# KiCad board vme-wren.kicad_pcb (continued)
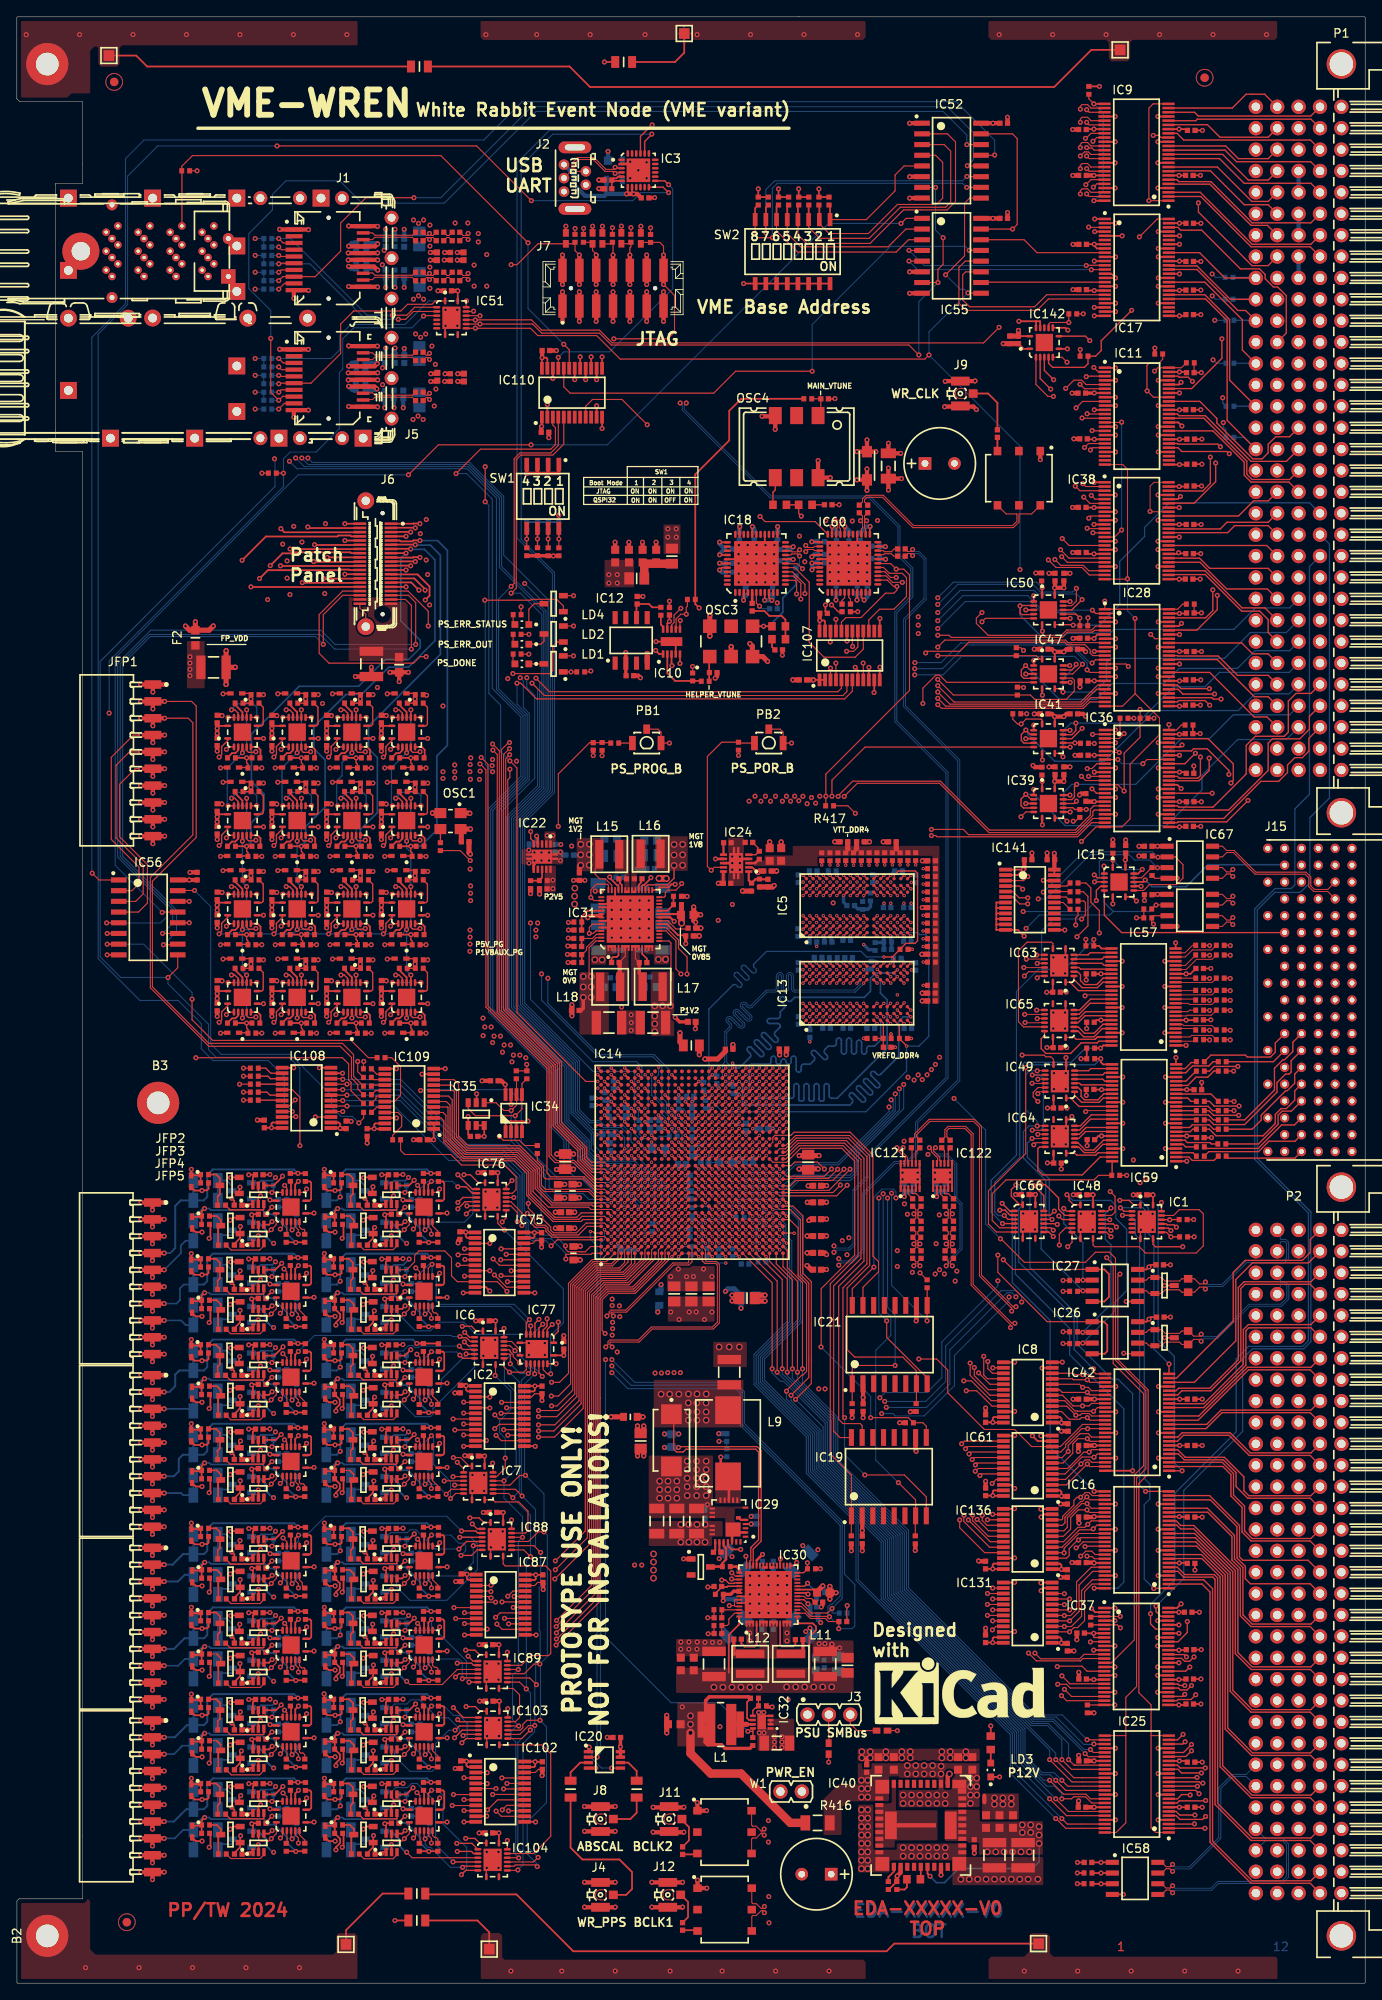
[diagram p0: board, top side]
## Footprints (pads in the part's own frame, mm; a bottom-side part is the same pattern mirrored in y, then rotated) (continued)
  round 3.5 hole 2.8: MTG1(0,5.08) MTG2(0,-83.82)
HARTING_17 25 095 2102
  round 1.1 hole 0.6: A1(0,0) A2(0,-2) A3(0,-4) A4(0,-6) A5(0,-8) A6(0,-10) A7(0,-12) A8(0,-14) A9(0,-16) A10(0,-18) A11(0,-20) A12(0,-22) A13(0,-24) A14(0,-26) A15(0,-28) A16(0,-30) A17(0,-32) A18(0,-34) A19(0,-36) B1(-2,0) B2(-2,-2) B3(-2,-4) B4(-2,-6) B5(-2,-8) B6(-2,-10) B7(-2,-12) B8(-2,-14) B9(-2,-16) B10(-2,-18) B11(-2,-20) B12(-2,-22) B13(-2,-24) B14(-2,-26) B15(-2,-28) B16(-2,-30) B17(-2,-32) B18(-2,-34) B19(-2,-36) C1(-4,0) C2(-4,-2) C3(-4,-4) C4(-4,-6) C5(-4,-8) C6(-4,-10) C7(-4,-12) C8(-4,-14) C9(-4,-16) C10(-4,-18) C11(-4,-20) C12(-4,-22) C13(-4,-24) C14(-4,-26) C15(-4,-28) C16(-4,-30) C17(-4,-32) C18(-4,-34) C19(-4,-36) D1(-6,0) D2(-6,-2) D3(-6,-4) D4(-6,-6) D5(-6,-8) D6(-6,-10) D7(-6,-12) D8(-6,-14) D9(-6,-16) D10(-6,-18) D11(-6,-20) D12(-6,-22) D13(-6,-24) D14(-6,-26) D15(-6,-28) D16(-6,-30) D17(-6,-32) D18(-6,-34) D19(-6,-36) E1(-8,0) E2(-8,-2) E3(-8,-4) E4(-8,-6) E5(-8,-8) E6(-8,-10) E7(-8,-12) E8(-8,-14) E9(-8,-16) E10(-8,-18) E11(-8,-20) E12(-8,-22) E13(-8,-24) E14(-8,-26) E15(-8,-28) E16(-8,-30) E17(-8,-32) E18(-8,-34) E19(-8,-36) F1(-10,0) F3(-10,-4) F5(-10,-8) F7(-10,-12) F9(-10,-16) F11(-10,-20) F13(-10,-24) F15(-10,-28) F17(-10,-32) F19(-10,-36)
HARWIN_M22-6541042R
  rect 1x2 smd: 1(9,0) 2(7,0) 3(5,0) 4(3,0) 5(1,0) 6(-1,0) 7(-3,0) 8(-5,0) 9(-7,0) 10(-9,0)
HIROSE_U.FL-R-SMT-1(10)
  rect 1x1.05 smd: 1(0,-1.525)
  rect 1.05x2.2 smd: 2(-1.475,0) 2(1.475,0)
IND_COILCRAFT_XAL4020
  rect 0.98x3.4 smd: 1(-1.185,0) 2(1.185,0)
IND_COILCRAFT_XAL4030
  rect 0.98x3.4 smd: 1(-1.185,0) 2(1.185,0)
IND_MURATA_BLM31PG
  rect 1.35x1.2 smd: 1(-1.675,0) 2(1.675,0)
IND_PULSE_PA2607
  rect 3.3x3.05 smd: 1(-3.935,0) 2(3.935,0)
IND_TDK_VLCF5020-1
  rect 0.9x3.1 smd: 1(-2.3,0) 2(2.3,0)
  rect 1.2x4.9 smd: 1(-1.25,0) 2(1.25,0)
INDC1608X95N
  rect 0.95x1 smd: 1(-0.8,0) 2(0.8,0)
INDC2012X105N
  rect 1.15x1.45 smd: 1(-0.9,0) 2(0.9,0)
INDC2012X110N
  rect 1.05x1.4 smd: 1(-0.95,0) 2(0.95,0)
INFINEON_PG-VQFN-56-900 (IRPS5401M)
  rect 0.7x0.22 smd: 1(-3.44,2.6) 2(-3.44,2.2) 3(-3.44,1.8) 4(-3.44,1.4) 5(-3.44,1) 6(-3.44,0.6) 7(-3.44,0.2) 8(-3.44,-0.2) 9(-3.44,-0.6) 10(-3.44,-1) 11(-3.44,-1.4) 12(-3.44,-1.8) 13(-3.44,-2.2) 14(-3.44,-2.6) 29(3.44,-2.6) 30(3.44,-2.2) 31(3.44,-1.8) 32(3.44,-1.4) 33(3.44,-1) 34(3.44,-0.6) 35(3.44,-0.2) 36(3.44,0.2) 37(3.44,0.6) 38(3.44,1) 39(3.44,1.4) 40(3.44,1.8) 41(3.44,2.2) 42(3.44,2.6)
  rect 0.31x1.02 smd: 2(-3.245,2.2) 6(-3.245,0.6) 9(-3.245,-0.6) 13(-3.245,-2.2)
  rect 0.22x0.7 smd: 15(-2.6,-3.44) 16(-2.2,-3.44) 17(-1.8,-3.44) 18(-1.4,-3.44) 19(-1,-3.44) 20(-0.6,-3.44) 21(-0.2,-3.44) 22(0.2,-3.44) 23(0.6,-3.44) 24(1,-3.44) 25(1.4,-3.44) 26(1.8,-3.44) 27(2.2,-3.44) 28(2.6,-3.44) 43(2.6,3.44) 44(2.2,3.44) 45(1.8,3.44) 46(1.4,3.44) 47(1,3.44) 48(0.6,3.44) 49(0.2,3.44) 50(-0.2,3.44) 51(-0.6,3.44) 52(-1,3.44) 53(-1.4,3.44) 54(-1.8,3.44) 55(-2.2,3.44) 56(-2.6,3.44)
  rect 0.31x0.62 smd: 34(3.245,-0.4) 36(3.245,0.4)
  rect 5.6x5.6 smd: 57(0,0)
INFINEON_TDA21535
  rect 0.65x0.25 smd: 1(-1.975,1.86) 2(-1.975,1.36) 3(-1.975,0.86) 4(-1.975,0.36) 5(-1.975,-0.14) 7(-1.975,-1.585) 13(1.975,-1.48) 14(1.975,-0.98) 15(1.975,-0.48) 16(1.975,0.58) 17(1.975,1.08) 18(1.975,1.58)
  rect 0.25x0.65 smd: 8(-1,-2.475) 9(-0.5,-2.475) 10(0,-2.475) 11(0.5,-2.475) 12(1,-2.475) 19(1.625,2.475) 20(1.125,2.475) 21(0.625,2.475) 22(0.125,2.475) 23(-0.375,2.475) 24(-0.875,2.475) 25(-1.375,2.475)
  round 0.025 smd: 10(0,-2.45) 13(0,-0.98) 17(1.52,1.08)
  rect 1.78x1.67 smd: 26(-0.5,1.005)
  rect 0.57x0.42 smd: 27(-1.125,-0.38)
LED_KINGBRIGHT_KPH-1608CGCK
  rect 0.8x0.8 smd: 1(-0.825,0) 2(0.825,0)
MOLEX_74737-0009
  round 2 hole 1.05: 2(-20.9,7.125)
MOLEX_87832-1420
  round 0.5 hole 1 unplated: (-5,0) (5,0)
  rect 1x2.75 smd: 1(-6,-2.125) 2(-6,2.125) 3(-4,-2.125) 4(-4,2.125) 5(-2,-2.125) 6(-2,2.125) 7(0,-2.125) 8(0,2.125) 9(2,-2.125) 10(2,2.125) 11(4,-2.125) 12(4,2.125) 13(6,-2.125) 14(6,2.125)
MOLEX_500075-1517
  round 1.25 hole 0.7: 1(1.6,1.3) 2(0.8,-1.3) 3(0,1.3) 4(-0.8,-1.3) 5(-1.6,1.3)
  rrect 1.4x3.9 hole 0.7x2.4: 6(-3.65,0) 6(3.65,0)
MTG270_500
  round 5 hole 2.7: 1(0,0)
OSC_CONNOR-WINFIELD_DOT050V
  rect 2.03x1.52 smd: 1(-3.685,2.54) 2(-3.685,0) 3(-3.685,-2.54) 4(3.685,-2.54) 5(3.685,0) 6(3.685,2.54)
OSC_EPSON_SG-8018CE
  rect 1.2x1.4 smd: 1(-0.95,1.2) 2(-0.95,-1.2) 3(0.95,-1.2) 4(0.95,1.2)
OSC_KYOCERA_KV7050B-C3
  rect 1.6x1.6 smd: 1(-1.8,2.54) 2(-1.8,0) 3(-1.8,-2.54) 4(1.8,-2.54) 5(1.8,0) 6(1.8,2.54)
PB_OMRON_B3U-1100P
  rect 0.8x1.7 smd: 1(-1.7,0) 2(1.7,0)
  rect 0.8x1.1 smd: 3(0,-1.65)
QFN50P400X400X80-25N-S280
  rrect 0.8x0.3 smd: 1(-2,1.25) 2(-2,0.75) 3(-2,0.25) 4(-2,-0.25) 5(-2,-0.75) 6(-2,-1.25) 13(2,-1.25) 14(2,-0.75) 15(2,-0.25) 16(2,0.25) 17(2,0.75) 18(2,1.25)
  rrect 0.3x0.8 smd: 7(-1.25,-2) 8(-0.75,-2) 9(-0.25,-2) 10(0.25,-2) 11(0.75,-2) 12(1.25,-2) 19(1.25,2) 20(0.75,2) 21(0.25,2) 22(-0.25,2) 23(-0.75,2) 24(-1.25,2)
  rect 2.8x2.8 smd: 25(0,0)
QFN50P700X700X90-45N-S530
  rrect 0.85x0.3 smd: 1(-3.45,2.5) 2(-3.45,2) 3(-3.45,1.5) 4(-3.45,1) 5(-3.45,0.5) 6(-3.45,0) 7(-3.45,-0.5) 8(-3.45,-1) 9(-3.45,-1.5) 10(-3.45,-2) 11(-3.45,-2.5) 23(3.45,-2.5) 24(3.45,-2) 25(3.45,-1.5) 26(3.45,-1) 27(3.45,-0.5) 28(3.45,0) 29(3.45,0.5) 30(3.45,1) 31(3.45,1.5) 32(3.45,2) 33(3.45,2.5)
  rrect 0.3x0.85 smd: 12(-2.5,-3.45) 13(-2,-3.45) 14(-1.5,-3.45) 15(-1,-3.45) 16(-0.5,-3.45) 17(0,-3.45) 18(0.5,-3.45) 19(1,-3.45) 20(1.5,-3.45) 21(2,-3.45) 22(2.5,-3.45) 34(2.5,3.45) 35(2,3.45) 36(1.5,3.45) 37(1,3.45) 38(0.5,3.45) 39(0,3.45) 40(-0.5,3.45) 41(-1,3.45) 42(-1.5,3.45) 43(-2,3.45) 44(-2.5,3.45)
  rect 5.3x5.3 smd: 45(0,0)
RESC1005X40N
  rect 0.58x0.62 smd: 1(-0.47,0) 2(0.47,0)
RESC1106X84N
  rect 0.71x0.72 smd: 1(-0.49,0) 2(0.49,0)
RESC1608X55N
  rect 0.9x1 smd: 1(-0.8,0) 2(0.8,0)
RESC2012X60N
  rect 0.95x1.4 smd: 1(-1,0) 2(1,0)
RESC3216X65N
  rect 1.15x1.8 smd: 1(-1.45,0) 2(1.45,0)
SAMTEC_LSHM-120-02.5-X-DV-A-S
  round 0.5 hole 1.5 unplated: (-6,-0.85) (6,-0.85)
  rect 0.3x1.5 smd: 1(4.75,-1.85) 2(4.75,1.85) 3(4.25,-1.85) 4(4.25,1.85) 5(3.75,-1.85) 6(3.75,1.85) 7(3.25,-1.85) 8(3.25,1.85) 9(2.75,-1.85) 10(2.75,1.85) 11(2.25,-1.85) 12(2.25,1.85) 13(1.75,-1.85) 14(1.75,1.85) 15(1.25,-1.85) 16(1.25,1.85) 17(0.75,-1.85) 18(0.75,1.85) 19(0.25,-1.85) 20(0.25,1.85) 21(-0.25,-1.85) 22(-0.25,1.85) 23(-0.75,-1.85) 24(-0.75,1.85) 25(-1.25,-1.85) 26(-1.25,1.85) 27(-1.75,-1.85) 28(-1.75,1.85) 29(-2.25,-1.85) 30(-2.25,1.85) 31(-2.75,-1.85) 32(-2.75,1.85) 33(-3.25,-1.85) 34(-3.25,1.85) 35(-3.75,-1.85) 36(-3.75,1.85) 37(-4.25,-1.85) 38(-4.25,1.85) 39(-4.75,-1.85) 40(-4.75,1.85)
  round 2 hole 1: 41(-7.475,1.15) 41(7.475,1.15)
SAMTEC_MTLW-102-07-L-S-250
  round 1.7 hole 1: 1(0,0) 2(2.54,0)
SAMTEC_MTLW-103-07-L-S-250
  round 1.7 hole 1: 1(0,0) 2(2.54,0) 3(5.08,0)
SODFL1608X65N
  rect 0.75x0.5 smd: 1(-0.7,0) 2(0.7,0)
SOIC127P600X175-8N
  rect 1.55x0.6 smd: 1(-2.7,1.905) 2(-2.7,0.635) 3(-2.7,-0.635) 4(-2.7,-1.905) 5(2.7,-1.905) 6(2.7,-0.635) 7(2.7,0.635) 8(2.7,1.905)
SOIC127P780X200-16N
  rect 1.85x0.6 smd: 1(-3.5,4.445) 2(-3.5,3.175) 3(-3.5,1.905) 4(-3.5,0.635) 5(-3.5,-0.635) 6(-3.5,-1.905) 7(-3.5,-3.175) 8(-3.5,-4.445) 9(3.5,-4.445) 10(3.5,-3.175) 11(3.5,-1.905) 12(3.5,-0.635) 13(3.5,0.635) 14(3.5,1.905) 15(3.5,3.175) 16(3.5,4.445)
SOIC127P1030X265-16N
  rect 2x0.6 smd: 1(-4.65,4.445) 2(-4.65,3.175) 3(-4.65,1.905) 4(-4.65,0.635) 5(-4.65,-0.635) 6(-4.65,-1.905) 7(-4.65,-3.175) 8(-4.65,-4.445) 9(4.65,-4.445) 10(4.65,-3.175) 11(4.65,-1.905) 12(4.65,-0.635) 13(4.65,0.635) 14(4.65,1.905) 15(4.65,3.175) 16(4.65,4.445)
SON45P300X300X80-13N-R175X248
  rect 0.8x0.25 smd: 1(-1.5,1.125) 2(-1.5,0.675) 3(-1.5,0.225) 4(-1.5,-0.225) 5(-1.5,-0.675) 6(-1.5,-1.125) 7(1.5,-1.125) 8(1.5,-0.675) 9(1.5,-0.225) 10(1.5,0.225) 11(1.5,0.675) 12(1.5,1.125)
  rect 1.75x2.45 smd: 13(0,0)
SON50P200X200X80-9N-R100X170
  rect 0.7x0.3 smd: 1(-1.05,0.75) 2(-1.05,0.25) 3(-1.05,-0.25) 4(-1.05,-0.75) 5(1.05,-0.75) 6(1.05,-0.25) 7(1.05,0.25) 8(1.05,0.75)
  rect 1x1.7 smd: 9(0,0)
SOP50P810X120-48N
  rect 1.45x0.3 smd: 1(-3.8,5.75) 2(-3.8,5.25) 3(-3.8,4.75) 4(-3.8,4.25) 5(-3.8,3.75) 6(-3.8,3.25) 7(-3.8,2.75) 8(-3.8,2.25) 9(-3.8,1.75) 10(-3.8,1.25) 11(-3.8,0.75) 12(-3.8,0.25) 13(-3.8,-0.25) 14(-3.8,-0.75) 15(-3.8,-1.25) 16(-3.8,-1.75) 17(-3.8,-2.25) 18(-3.8,-2.75) 19(-3.8,-3.25) 20(-3.8,-3.75) 21(-3.8,-4.25) 22(-3.8,-4.75) 23(-3.8,-5.25) 24(-3.8,-5.75) 25(3.8,-5.75) 26(3.8,-5.25) 27(3.8,-4.75) 28(3.8,-4.25) 29(3.8,-3.75) 30(3.8,-3.25) 31(3.8,-2.75) 32(3.8,-2.25) 33(3.8,-1.75) 34(3.8,-1.25) 35(3.8,-0.75) 36(3.8,-0.25) 37(3.8,0.25) 38(3.8,0.75) 39(3.8,1.25) 40(3.8,1.75) 41(3.8,2.25) 42(3.8,2.75) 43(3.8,3.25) 44(3.8,3.75) 45(3.8,4.25) 46(3.8,4.75) 47(3.8,5.25) 48(3.8,5.75)
SOP65P400X130-8N
  rect 1.1x0.4 smd: 1(-1.9,0.975) 2(-1.9,0.325) 3(-1.9,-0.325) 4(-1.9,-0.975) 5(1.9,-0.975) 6(1.9,-0.325) 7(1.9,0.325) 8(1.9,0.975)
SOP65P490X110-8N
  rect 1.5x0.45 smd: 1(-2.2,0.975) 2(-2.2,0.325) 3(-2.2,-0.325) 4(-2.2,-0.975) 5(2.2,-0.975) 6(2.2,-0.325) 7(2.2,0.325) 8(2.2,0.975)
SOP65P640X120-24N
  rect 1.5x0.45 smd: 1(-2.9,3.575) 2(-2.9,2.925) 3(-2.9,2.275) 4(-2.9,1.625) 5(-2.9,0.975) 6(-2.9,0.325) 7(-2.9,-0.325) 8(-2.9,-0.975) 9(-2.9,-1.625) 10(-2.9,-2.275) 11(-2.9,-2.925) 12(-2.9,-3.575) 13(2.9,-3.575) 14(2.9,-2.925) 15(2.9,-2.275) 16(2.9,-1.625) 17(2.9,-0.975) 18(2.9,-0.325) 19(2.9,0.325) 20(2.9,0.975) 21(2.9,1.625) 22(2.9,2.275) 23(2.9,2.925) 24(2.9,3.575)
SOT65P210X110-6N
  rect 0.95x0.4 smd: 1(-1.1,0.65) 2(-1.1,0) 3(-1.1,-0.65) 4(1.1,-0.65) 5(1.1,0) 6(1.1,0.65)
SOT95P237X112-3N
  rect 1.05x0.6 smd: 1(-1.15,0.95) 2(-1.15,-0.95) 3(1.15,0)
SOT95P240X110-3N
  rect 1.05x0.65 smd: 1(-1.15,0.95) 2(-1.15,-0.95) 3(1.15,0)
SOT95P240X130-3N
  rect 1.05x0.65 smd: 1(-1.15,0.95) 2(-1.15,-0.95) 3(1.15,0)
SOT95P280X145-6N
  rect 1.05x0.6 smd: 1(-1.35,0.95) 2(-1.35,0) 3(-1.35,-0.95) 4(1.35,-0.95) 5(1.35,0) 6(1.35,0.95)
SOT190P230X110-4N
  rect 1x1 smd: 1(-1.15,0.75)
  rect 1x0.6 smd: 2(-1.15,-0.95) 3(1.15,-0.95) 4(1.15,0.95)
SW_TYCO_1-1571983-0
  rect 1.55x0.55 smd: 1(-3.8,4.445) 2(-3.8,3.175) 3(-3.8,1.905) 4(-3.8,0.635) 5(-3.8,-0.635) 6(-3.8,-1.905) 7(-3.8,-3.175) 8(-3.8,-4.445) 9(3.8,-4.445) 10(3.8,-3.175) 11(3.8,-1.905) 12(3.8,-0.635) 13(3.8,0.635) 14(3.8,1.905) 15(3.8,3.175) 16(3.8,4.445)
SW_TYCO_1571983-4
  rect 1.55x0.55 smd: 1(-3.8,1.905) 2(-3.8,0.635) 3(-3.8,-0.635) 4(-3.8,-1.905) 5(3.8,-1.905) 6(3.8,-0.635) 7(3.8,0.635) 8(3.8,1.905)
TEXAS_DRC (S-PVSON-N10)
  rect 0.85x0.3 smd: 1(-1.5,1) 2(-1.5,0.5) 3(-1.5,0) 4(-1.5,-0.5) 5(-1.5,-1) 6(1.5,-1) 7(1.5,-0.5) 8(1.5,0) 9(1.5,0.5) 10(1.5,1)
  rect 0.28x0.7 smd: 11(-0.25,1.55) 11(-0.25,-1.55) 11(0.25,1.55) 11(0.25,-1.55)
  rect 1.65x2.4 smd: 11(0,0)
TEXAS_DSC (S-PWSON-N10)
  rect 0.85x0.3 smd: 1(-1.475,1) 2(-1.475,0.5) 3(-1.475,0) 4(-1.475,-0.5) 5(-1.475,-1) 6(1.475,-1) 7(1.475,-0.5) 8(1.475,0) 9(1.475,0.5) 10(1.475,1)
  rect 1.05x2.55 smd: 11(0,0)
TEXAS_RGY (R-PVQFN-N16)
  rrect 0.3x0.85 smd: 1(-0.75,2) 8(-0.75,-2) 9(0.75,-2) 16(0.75,2)
  rrect 0.85x0.3 smd: 2(-1.75,1.25) 3(-1.75,0.75) 4(-1.75,0.25) 5(-1.75,-0.25) 6(-1.75,-0.75) 7(-1.75,-1.25) 10(1.75,-1.25) 11(1.75,-0.75) 12(1.75,-0.25) 13(1.75,0.25) 14(1.75,0.75) 15(1.75,1.25)
  rect 2.15x2.65 smd: 17(0,0)
TEXAS_RGY (S-PVQFN-N14)
  rrect 0.3x0.85 smd: 1(-0.75,1.75) 7(-0.75,-1.75) 8(0.75,-1.75) 14(0.75,1.75)
  rrect 0.85x0.3 smd: 2(-1.75,1) 3(-1.75,0.5) 4(-1.75,0) 5(-1.75,-0.5) 6(-1.75,-1) 9(1.75,-1) 10(1.75,-0.5) 11(1.75,0) 12(1.75,0.5) 13(1.75,1)
  rect 2.05x2.05 smd: 15(0,0)
TEXAS_RVQ (S-PB3QFN-N42)
  rect 1x1.65 smd: 1(-4.9,4.575)
  rect 0.65x1 smd: 1(-4.075,4.9)
  rect 0.95x0.5 smd: 2(-4.925,3.2) 3(-4.925,2.4) 4(-4.925,1.6) 5(-4.925,0.8) 6(-4.925,0) 7(-4.925,-0.8) 8(-4.925,-1.6) 9(-4.925,-2.4) 10(-4.925,-3.2) 22(4.925,-3.2) 23(4.925,-2.4) 24(4.925,-1.6) 25(4.925,-0.8) 26(4.925,0) 27(4.925,0.8) 28(4.925,1.6) 29(4.925,2.4) 30(4.925,3.2)
  rect 1.65x1.65 smd: 11(-4.575,-4.575) 21(4.575,-4.575) 31(4.575,4.575)
  rect 0.5x0.95 smd: 12(-3.2,-4.925) 13(-2.4,-4.925) 14(-1.6,-4.925) 15(-0.8,-4.925) 16(0,-4.925) 17(0.8,-4.925) 18(1.6,-4.925) 19(2.4,-4.925) 20(3.2,-4.925) 32(3.2,4.925) 33(2.4,4.925) 34(1.6,4.925) 35(0.8,4.925) 36(0,4.925) 37(-0.8,4.925) 38(-1.6,4.925) 39(-2.4,4.925) 40(-3.2,4.925)
  rect 3.29x1.4 smd: 41(0,3.55) 42(0,-3.55)
  rect 0.525x4.65 smd: 42(0,-0.525)
TPS127
  rect 1.27x1.27 smd: 1(0,0)
TYCO_1761014-3
  rect 2x2 hole 1.05: 1(-14.25,-30.9) 2(-14.25,-20.9) 3(-14.25,-10.9) 4(-14.25,-0.9) 5(14.25,4.1) 6(14.25,-5.9) 7(14.25,-15.9) 8(14.25,-25.9) 9(-5.675,-30.9) 10(-8.575,-10.9) 11(-3.175,-10.9) 12(8.575,-30.9) 13(5.675,-10.9) 14(11.075,-10.9)
  round 2 hole 1.05: 15(0,-30.9) 16(0,-23.8) 17(0,-9.6) 18(0,-2.5)
  round 1.65 hole 0.95: 19(-14.25,-8.1) 20(-14.25,-3.4) 21(-14.25,1.6) 22(-11.925,7.475) 23(-7.125,7.475) 24(-2.325,7.475) 25(2.325,7.475) 26(7.125,7.475) 27(11.925,7.475) 28(14.25,1.6) 29(14.25,-3.4) 30(14.25,-8.1)
TYCO_1888247-1
  round 0.5 hole 1.55 unplated: (0,4.795) (0,-4.805)
  rect 2x0.5 smd: 1(-4.1,3.395) 2(-4.1,2.595) 3(-4.1,1.795) 4(-4.1,0.995) 5(-4.1,0.195) 6(-4.1,-0.605) 7(-4.1,-1.405) 8(-4.1,-2.205) 9(-4.1,-3.005) 10(-4.1,-3.805) 11(4.1,-3.405) 14(4.1,-1.005) 15(4.1,-0.205) 16(4.1,0.595) 17(4.1,1.395) 20(4.1,3.795)
  rect 1.5x0.4 smd: 12(4.1,-2.605) 13(4.1,-1.805) 18(4.1,2.195) 19(4.1,2.995)
TYCO_2149027-1
  rrect 0.9x0.9 hole 0.4: A1(-5,3) A2(-6.4,2.25) A3(-5.7,1.5) A4(-5,0.75) A5(-6.4,0) A6(-5.7,-0.75) A7(-5,-1.5) A8(-6.4,-2.25) A9(-5.7,-3) B1(-1.2,3) B2(-2.6,2.25) B3(-1.9,1.5) B4(-1.2,0.75) B5(-2.6,0) B6(-1.9,-0.75) B7(-1.2,-1.5) B8(-2.6,-2.25) B9(-1.9,-3) C1(2.6,3) C2(1.2,2.25) C3(1.9,1.5) C4(2.6,0.75) C5(1.2,0) C6(1.9,-0.75) C7(2.6,-1.5) C8(1.2,-2.25) C9(1.9,-3) D1(6.4,3) D2(5,2.25) D3(5.7,1.5) D4(6.4,0.75) D5(5,0) D6(5.7,-0.75) D7(6.4,-1.5) D8(5,-2.25) D9(5.7,-3)
  round 4.4 hole 2.2: SHIELD(-9.4,0)
  round 1.3 hole 0.6: SHIELD(-5.7,5.5) SHIELD(-5.7,-5.5) SHIELD(8.11,1.5)
  rect 1.7x1.7 hole 0.6: SHIELD(8.11,-3)
XFMR_MINI-CIRCUITS_CD542
  rect 0.9x1 smd: 1(-2.54,-3.22) 2(0,-3.22) 3(2.54,-3.22) 4(2.54,3.22) 5(0,3.22) 6(-2.54,3.22)

## Nets
5VREG: C220.2 C275.1 C287.1 C296.2 IC22.4 IC29.4 IC30.29 IC30.48 IC30.49 IC31.29 IC31.48 IC31.49 IC32.6 L1.2 R120.1 R205.1 R210.1 R212.1 R213.1 R416.1
/power-supply-1/P1V8AUX_PG: IC30.16 IC31.28 IC31.42 IC31.44 IC31.51 IC31.53 R227.2
/power-supply-3/5VPG: IC22.5 IC32.8 R120.2
GND: C1.2 C2.2 C3.1 C4.1 C5.2 C6.1 C7.1 C8.2 C9.1 C10.1 C11.1 C12.1 C13.1 C14.1 C15.1 C16.1 C17.1 C18.1 C19.1 C20.2 C21.2 C22.1 C23.1 C24.1 C25.1 C26.1 C27.1 C28.2 C29.1 C30.1 C31.1 C32.1 C33.1 C34.1 C35.1 C36.1 C37.1 C38.1 C39.1 C40.1 C41.1 C42.1 C43.1 C44.1 C45.1 C46.1 C47.2 C48.1 C49.1 C50.2 C51.2 C52.2 C53.2 C54.1 C55.2 C56.1 C57.1 C58.1 C62.2 C63.2 C65.1 C66.1 C67.1 C68.1 C69.1 C70.1 C71.2 C72.1 C73.1 C74.1 C75.1 C76.1 C77.1 C78.1 C79.1 C80.1 C81.1 C82.1 C83.1 C84.1 C85.1 C86.1 C87.1 C88.1 C90.1 C91.1 C92.1 C93.1 C94.1 C95.1 C96.1 C100.1 C101.1 C102.1 C103.2 C104.1 C105.1 C106.1 C107.1 C108.1 C109.1 C110.1 C111.1 C112.1 C113.1 C114.1 C115.1 C116.1 C117.2 C118.1 C119.1 C121.1 C122.1 C123.1 C124.1 C125.1 C126.1 C127.1 C128.1 C129.1 C130.1 C131.1 C132.1 C133.1 C134.1 C135.1 C136.1 C137.1 C138.1 C139.1 C140.1 C141.2 C142.2 C143.1 C144.1 C145.1 C146.1 C147.1 C148.2 C149.1 C150.1 C151.1 C152.1 C153.1 C154.2 C155.1 C156.1 C157.1 C158.2 C159.2 C160.2 C161.2 C162.1 C163.2 C164.1 C165.1 C166.2 C167.2 C168.2 C169.2 C170.2 C171.2 C172.2 C173.2 C174.1 C175.1 C176.2 C177.2 C178.1 C179.1 C180.1 C181.1 C182.1 C183.1 C184.1 C185.1 C186.2 C187.2 C188.1 C189.2 C190.1 C191.2 C192.2 C193.1 C194.1 C195.1 C196.1 C197.1 C198.1 C199.1 C200.1 C201.1 C202.1 C203.1 C204.1 C205.1 C206.2 C207.2 C208.2 C209.2 C210.1 C211.1 C212.2 C213.1 C214.1 C215.1 C216.1 C217.1 C218.1 C219.1 C220.1 C221.2 C222.1 C223.1 C224.1 C225.1 C226.1 C227.1 C228.2 C229.2 C231.2 C232.1 C234.1 C235.1 C236.1 C237.1 C238.2 C239.2 C240.2 C241.2 C242.1 C243.1 C244.2 C245.2 C249.2 C250.1 C251.1 C252.2 C253.2 C254.1 C255.1 C256.1 C257.1 C258.1 C259.1 C260.1 C261.1 C262.1 C263.1 C264.1 C267.1 C268.1 C269.2 C272.2 C273.2 C274.1 C275.2 C276.2 C277.2 C278.2 C279.2 C280.2 C281.2 C283.2 C284.2 C285.2 C286.2 C287.2 C288.2 C290.2 C291.2 C292.1 C293.1 C294.1 C295.1 C296.1 C297.2 C301.1 C302.1 C303.2 C304.2 C305.1 C306.2 C307.2 C308.1 C309.2 C310.2 C311.2 C312.2 C313.2 C314.2 C315.2 C316.2 C317.2 C318.2 C319.2 C320.1 C321.1 C322.1 C323.1 C324.2 C325.2 C326.2 C327.2 C328.2 C329.2 C330.2 C331.2 C332.2 C333.2 C334.2 C335.2 C336.2 C337.2 C338.2 C339.2 C340.1 C341.1 C342.1 C343.1 C344.1 C345.2 C346.1 C347.1 C348.1 C349.2 C350.1 C351.1 C352.1 C354.2 C355.1 C356.1 C357.1 C358.1 C359.1 C360.1 C361.1 C362.1 C363.2 C364.2 C369.2 C370.1 C371.1 C372.2 C373.2 C376.2 C377.2 C378.2 C379.2 C380.2 C381.1 C382.2 C383.1 C384.2 C385.1 C386.2 C387.1 C388.1 C389.1 C390.1 C391.1 C392.1 C393.2 C394.2 C395.2 C396.2 C397.1 C398.2 C399.2 C400.2 C401.2 C402.2 C403.1 C404.2 C405.2 C406.1 C407.2 C408.2 C409.1 C410.2 C411.2 C412.2 C413.1 C414.2 C415.2 C416.2 C417.2 C418.2 C419.1 C420.2 C421.2 C422.2 C423.2 C424.2 C425.1 C426.2 C427.2 C428.1 C429.2 C430.2 C431.1 C432.2 C433.2 C434.2 C435.1 C436.2 C437.2 C438.2 C439.2 C440.2 C441.1 C442.2 C443.2 C444.2 C445.2 C446.2 C447.1 C448.2 C449.2 C450.2 C451.2 C452.2 C453.1 C454.2 C455.2 C456.1 C457.2 C458.2 C459.1 C460.2 C461.2 C462.2 C463.1 C464.2 C465.2 C466.2 C467.2 C486.2 C487.2 C488.2 C489.2 C490.1 C491.2 C492.2 C493.2 C494.2 C495.2 C496.2 C497.1 C498.2 C499.2 C500.2 C501.2 C502.2 C503.1 C504.2 C505.2 C506.2 C507.2 C508.2 C509.1 C510.2 C511.2 C512.1 C517.2 C518.1 C519.2 C520.1 C521.2 C522.1 C523.2 C524.1 C525.2 C526.2 C527.2 C528.1 C529.2 C530.1 C531.2 C532.1 C533.2 C534.1 C535.2 C536.2 C537.2 C538.1 C539.2 C540.1 C541.2 C542.1 C543.2 C544.1 C545.2 C546.2 C547.2 C548.2 C549.2 Cage1.1 Cage1.2 Cage1.3 Cage1.4 Cage1.5 Cage1.6 Cage1.7 Cage1.8 Cage1.9 Cage1.10 Cage1.11 Cage1.12 Cage1.13 Cage1.14 Cage1.15 Cage1.16 Cage1.17 Cage1.18 Cage1.19 Cage1.20 Cage1.21 Cage1.22 Cage1.23 Cage1.24 Cage1.25 Cage1.26 Cage1.27 Cage1.28 Cage1.29 Cage1.30 Cage3.2 D1.2 D2.2 D3.2 D4.2 D5.2 D6.2 D7.2 D8.2 D9.2 D10.1 D11.1 D12.1 D13.2 D14.2 D15.1 D16.1 D17.2 D18.2 D19.1 D20.1 D21.2 D22.2 D23.1 D24.1 D25.2 D26.2 D27.1 D28.1 D29.3 D30.3 D31.1 D32.1 D33.2 D34.2 D35.1 D36.1 D37.2 D38.2 D39.1 D40.1 D41.2 D42.2 D43.1 D44.1 D45.2 D46.2 D47.1 D48.2 D49.2 D50.1 D51.2 D52.2 D53.1 D54.1 D55.2 D56.2 D57.1 D58.1 D59.2 D60.2 D61.1 D62.1 D63.2 D64.2 D65.1 D66.1 D67.1 D68.1 D69.2 D70.2 D71.1 D72.1 D73.2 D74.2 D75.2 D76.2 D77.2 D78.2 D79.2 D80.2 D81.2 D82.2 D83.2 D84.2 D85.2 D86.2 D87.2 D88.2 D89.2 D90.2 D91.2 D92.2 D93.2 D94.2 D95.2 D96.2 D97.2 D98.2 D99.2 D100.2 D101.2 D102.2 D103.2 D104.2 D105.2 D106.2 IC1.8 IC1.17 IC2.11 IC2.12 IC2.13 IC2.22 IC3.2 IC3.25 IC4.1 IC5.A2 IC5.A8 IC5.B2 IC5.C9 IC5.D2 IC5.D8 IC5.E1 IC5.E3 IC5.E8 IC5.E9 IC5.F1 IC5.G8 IC5.H1 IC5.H9 IC5.K1 IC5.K9 IC5.M9 IC5.N1 IC5.N9 IC5.T1 IC6.8 IC6.17 IC7.8 IC7.17 IC8.11 IC8.12 IC8.13 IC8.22 IC9.1 IC9.2 IC9.4 IC9.5 IC9.10 IC9.14 IC9.15 IC9.17 IC9.21 IC9.22 IC9.23 IC9.24 IC9.28 IC9.32 IC9.34 IC9.39 IC9.41 IC9.45 IC10.3 IC10.4 IC10.11 IC11.1 IC11.4 IC11.8 IC11.10 IC11.15 IC11.17 IC11.21 IC11.28 IC11.32 IC11.34 IC11.39 IC11.45 IC12.4 IC13.A2 IC13.A8 IC13.B2 IC13.C9 IC13.D2 IC13.D8 IC13.E1 IC13.E3 IC13.E8 IC13.E9 IC13.F1 IC13.G8 IC13.H1 IC13.H9 IC13.K1 IC13.K9 IC13.M9 IC13.N1 IC13.N9 IC13.T1 IC14.A20 IC14.A24 IC14.A27 IC14.A28 IC14.AA1 IC14.AA2 IC14.AA3 IC14.AA4 IC14.AA5 IC14.AA6 IC14.AA9 IC14.AA19 IC14.AA24 IC14.AB12 IC14.AB27 IC14.AC15 IC14.AC20 IC14.AC25 IC14.AD3 IC14.AD18 IC14.AE1 IC14.AE6 IC14.AE11 IC14.AE21 IC14.AE26 IC14.AF4 IC14.AF9 IC14.AF14 IC14.AF19 IC14.AG2 IC14.AG22 IC14.AG27 IC14.AH5 IC14.B2 IC14.B17 IC14.B21 IC14.B25 IC14.B26 IC14.C5 IC14.C10 IC14.C20 IC14.C24 IC14.C27 IC14.C28 IC14.D8 IC14.D13 IC14.D21 IC14.D26 IC14.E16 IC14.E20 IC14.E24 IC14.E27 IC14.E28 IC14.F4 IC14.F9 IC14.F19 IC14.F21 IC14.F25 IC14.F26 IC14.G2 IC14.G7 IC14.G12 IC14.G22 IC14.G23 IC14.G24 IC14.G27 IC14.G28 IC14.H10 IC14.H15 IC14.H25 IC14.J8 IC14.J13 IC14.J18 IC14.J23 IC14.K6 IC14.K11 IC14.K16 IC14.K21 IC14.K26 IC14.L9 IC14.L24 IC14.M1 IC14.M2 IC14.M3 IC14.M4 IC14.M5 IC14.M7 IC14.M22 IC14.M27 IC14.N5 IC14.N10 IC14.N12 IC14.N14 IC14.N17 IC14.N20 IC14.N25 IC14.P3 IC14.P5 IC14.P8 IC14.P11 IC14.R1 IC14.R2 IC14.R5 IC14.R15 IC14.R21 IC14.R26 IC14.T3 IC14.T5 IC14.T9 IC14.T10 IC14.T14 IC14.T19 IC14.U1 IC14.U2 IC14.U6 IC14.U11 IC14.U12 IC14.U13 IC14.U17 IC14.U21 IC14.U22 IC14.U27 IC14.V3 IC14.V7 IC14.V13 IC14.V15 IC14.V20 IC14.V21 IC14.W1 IC14.W2 IC14.W6 IC14.W7 IC14.W18 IC14.W21 IC14.W23 IC14.Y3 IC14.Y7 IC14.Y11 IC14.Y16 IC14.Y18 IC14.Y21 IC15.7 IC16.4 IC16.10 IC16.15 IC16.21 IC16.28 IC16.34 IC16.39 IC16.45 IC17.4 IC17.10 IC17.15 IC17.21 IC17.28 IC17.34 IC17.39 IC17.45 IC18.26 IC18.38 IC18.45 IC19.10 IC20.4 IC21.10 IC22.6 IC22.11 IC23.7 IC24.4 IC24.8 IC24.11 IC25.4 IC25.10 IC25.15 IC25.21 IC25.28 IC25.34 IC25.39 IC25.45 IC26.5 IC27.5 IC28.4 IC28.8 IC28.10 IC28.15 IC28.17 IC28.21 IC28.28 IC28.32 IC28.34 IC28.39 IC28.45 IC29.2 IC29.7 IC29.13 IC29.14 IC29.15 IC29.23 IC29.26 IC30.40 IC30.44 IC30.50 IC30.52 IC30.57 IC31.40 IC31.45 IC31.46 IC31.50 IC31.52 IC31.57 IC32.1 IC32.4 IC32.9 IC33.2 IC34.1 IC34.2 IC34.3 IC34.4 IC34.7 IC35.2 IC35.4 IC36.1 IC36.4 IC36.10 IC36.15 IC36.17 IC36.21 IC36.28 IC36.32 IC36.34 IC36.39 IC36.45 IC37.1 IC37.2 IC37.4 IC37.10 IC37.15 IC37.17 IC37.21 IC37.28 IC37.32 IC37.34 IC37.39 IC37.45 IC37.48 IC38.1 IC38.4 IC38.8 IC38.10 IC38.15 IC38.17 IC38.21 IC38.28 IC38.32 IC38.34 IC38.39 IC38.45 IC39.2 IC39.4 IC39.7 IC39.9 IC39.13 IC40.20 IC40.21 IC40.31 IC40.32 IC40.33 IC41.2 IC41.4 IC41.7 IC41.9 IC41.13 IC42.4 IC42.10 IC42.15 IC42.21 IC42.28 IC42.34 IC42.39 IC42.45 IC43.2 IC44.7 IC45.2 IC46.2 IC47.2 IC47.4 IC47.7 IC47.9 IC47.13 IC48.8 IC48.17 IC49.8 IC49.17 IC50.2 IC50.4 IC50.7 IC50.9 IC50.13 IC51.8 IC51.17 IC52.1 IC52.6 IC52.8 IC53.7 IC54.2 IC55.6 IC55.8 IC56.6 IC56.8 IC56.12 IC56.14 IC57.4 IC58.4 IC59.4 IC59.10 IC59.15 IC59.21 IC59.28 IC59.34 IC59.39 IC59.45 IC60.26 IC60.38 IC60.45 IC61.11 IC61.12 IC61.13 IC61.22 IC62.7 IC63.8 IC63.17 IC64.8 IC64.17 IC65.8 IC65.17 IC66.8 IC66.17 IC67.4 IC68.2 IC69.7 IC70.2 IC71.2 IC72.7 IC73.2 IC74.2 IC75.11 IC75.12 IC75.13 IC75.22 IC76.8 IC76.17 IC77.8 IC77.17 IC78.7 IC79.2 IC80.2 IC81.7 IC82.2 IC83.2 IC84.7 IC85.2 IC86.2 IC87.11 IC87.12 IC87.13 IC87.22 IC88.8 IC88.17 IC89.8 IC89.17 IC90.7 IC91.2 IC92.2 IC93.7 IC94.2 IC95.2 IC96.7 IC97.2 IC98.2 IC99.7 IC100.2 IC101.2 IC102.11 IC102.12 IC102.13 IC102.22 IC103.8 IC103.17 IC104.8 IC104.17 IC105.7 IC106.2 IC107.10 IC107.11 IC107.12 IC107.13 IC107.22 IC108.11 IC108.12 IC108.13 IC108.22 IC109.11 IC109.12 IC109.13 IC109.22 IC110.2 IC110.11 IC110.12 IC110.13 IC110.14 IC110.16 IC110.17 IC110.18 IC110.22 IC111.2 IC112.7 IC113.2 IC114.2 IC115.7 IC116.2 IC117.2 IC118.7 IC119.2 IC120.2 IC121.1 IC121.5 IC121.6 IC121.7 IC121.12 IC121.13 IC122.1 IC122.5 IC122.6 IC122.7 IC122.12 IC122.13 IC123.4 IC123.10 IC123.15 IC123.21 IC123.28 IC123.34 IC123.39 IC123.45 IC124.7 IC125.7 IC126.7 IC127.7 IC128.7 IC129.7 IC130.7 IC131.11 IC131.12 IC131.13 IC131.22 IC132.7 IC133.7 IC134.7 IC135.7 IC136.11 IC136.12 IC136.13 IC136.22 IC137.7 IC138.7 IC139.7 IC140.7 IC141.7 IC141.8 IC141.9 IC141.10 IC141.11 IC141.12 IC141.13 IC141.22 IC142.1 IC142.4 IC142.7 IC142.9 IC142.12 IC142.13 J1.1 J1.10 J1.11 J1.14 J1.17 J1.20 J2.5 J2.6 J3.1 J4.2 J5.1 J5.10 J5.11 J5.14 J5.17 J5.20 J6.40 J6.41 J7.1 J7.3 J7.5 J7.7 J7.9 J7.11 J7.13 J8.2 J9.2 J11.2 J12.2 J13.SHIELD J15.B1 J15.B5 J15.E1 J15.E5 J15.F1 J15.F3 J15.F5 J15.F7 J15.F9 J15.F11 J15.F13 J15.F15 J15.F17 J15.F19 JFP1.1 JFP1.9 JFP1.10 JFP2.1 JFP2.6 JFP3.1 JFP3.6 JFP4.1 JFP4.6 JFP5.1 JFP5.6 L2.2 LD3.1 OSC1.2 OSC3.3 OSC4.3 P1.A9 P1.A11 P1.A15 P1.A17 P1.A19 P1.B20 P1.B23 P1.C9 P1.D2 P1.D31 P1.MTG1 P1.MTG2 P1.Z2 P1.Z4 P1.Z6 P1.Z8 P1.Z10 P1.Z12 P1.Z14 P1.Z16 P1.Z18 P1.Z20 P1.Z22 P1.Z24 P1.Z26 P1.Z28 P1.Z30 P1.Z32 P2.B2 P2.B12 P2.B22 P2.B31 P2.D25 P2.D28 P2.D31 P2.MTG1 P2.MTG2 P2.Z2 P2.Z4 P2.Z6 P2.Z8 P2.Z10 P2.Z12 P2.Z14 P2.Z16 P2.Z18 P2.Z20 P2.Z22 P2.Z24 P2.Z26 P2.Z28 P2.Z30 P2.Z32 PB1.1 PB1.3 PB2.1 PB2.3 R1.1 R11.1 R20.1 R21.1 R22.1 R23.1 R34.1 R35.1 R36.1 R40.2 R64.1 R68.1 R90.2 R98.2 R103.2 R114.2 R115.1 R121.1 R122.1 R124.1 R126.1 R127.1 R131.1 R132.1 R146.1 R147.1 R160.1 R161.1 R162.1 R163.1 R166.1 R167.1 R184.1 R185.1 R192.1 R194.2 R195.2 R207.2 R208.1 R209.1 R211.1 R215.2 R216.1 R217.1 R262.1 R265.2 R266.2 R267.1 R279.1 R280.1 R293.1 R294.1 R307.1 R308.1 R309.1 R315.2 R321.1 R322.1 R323.1 R335.1 R336.1 R349.1 R350.1 R363.1 R364.1 R377.1 R378.1 R397.1 R401.1 R408.1 R409.1 R410.1 R417.1 R422.1 R423.1 R424.1 R436.1 R437.1 R446.1 R510.1 R511.1 R516.1 R517.1 R522.1 R523.1 R528.1 R529.1 R534.1 R535.1 R540.1 R541.1 R546.1 R547.1 R552.1 R553.1 R558.1 R559.1 R564.1 R565.1 R570.1 R571.1 R576.1 R577.1 R582.1 R583.1 SW1.1 SW1.2 SW1.3 SW1.4 SW2.9 SW2.10 SW2.11 SW2.12 SW2.13 SW2.14 SW2.15 SW2.16 T2.2 T3.2 T4.2 T5.2 T7.2 T9.2 T11.2 T13.2 T15.2 T19.2 T21.2 T23.2 T25.2 T27.2 T29.2 T31.2 T35.2 T37.2 T39.2 T40.2 T41.2 T42.2 T43.2 T44.2 T45.2 T46.2 T47.2 T48.2 T49.2 T50.2 T51.2 T52.2 T53.2 T54.2 T55.2 TR1.1 TR2.1 TR3.1 W1.2
GNDA: IC40.2 IC40.23 IC40.29 R100.1 R165.1
P0V85: C33.2 C34.2 C35.2 C36.2 C37.2 C38.2 C39.2 C40.2 C41.2 C79.2 C80.2 C81.2 C82.2 C85.2 C86.2 C271.1 C272.1 C273.1 IC14.AA15 IC14.AA16 IC14.AA17 IC14.AA18 IC14.AA20 IC14.AA21 IC14.AB16 IC14.K10 IC14.L10 IC14.L11 IC14.L12 IC14.M9 IC14.M10 IC14.M11 IC14.M12 IC14.N11 IC14.N13 IC14.N15 IC14.P10 IC14.P14 IC14.P15 IC14.R10 IC14.R11 IC14.R14 IC14.T11 IC14.T15 IC14.U10 IC14.U14 IC14.U15 IC14.V10 IC14.V11 IC14.V12 IC14.V14 IC14.V16 IC14.V17 IC14.V18 IC14.W15 IC14.W16 IC14.W17 IC14.Y15 IC14.Y17 IC14.Y19 IC30.41 IC30.45 L9.2
P1V2: C90.2 C91.2 C92.2 C93.2 C94.2 C95.2 C99.2 C135.2 C174.2 C175.2 C178.2 C179.2 C180.2 C181.2 C182.2 C183.2 C184.2 C185.2 C194.2 C195.2 C198.2 C199.2 C200.2 C201.2 C202.2 C203.2 C204.2 C205.2 C312.1 C313.1 C314.1 IC5.A1 IC5.A9 IC5.B3 IC5.B9 IC5.C1 IC5.D1 IC5.D9 IC5.F2 IC5.F8 IC5.G1 IC5.G7 IC5.G9 IC5.J1 IC5.J2 IC5.J8 IC5.J9 IC5.L1 IC5.L9 IC5.R1 IC5.T9 IC13.A1 IC13.A9 IC13.B3 IC13.B9 IC13.C1 IC13.D1 IC13.D9 IC13.F2 IC13.F8 IC13.G1 IC13.G7 IC13.G9 IC13.J1 IC13.J2 IC13.J8 IC13.J9 IC13.L1 IC13.L9 IC13.R1 IC13.T9 IC14.AB22 IC14.AD23 IC14.AF24 IC14.P23 IC14.T24 IC14.V25 IC14.Y26 IC24.2 IC31.15 L17.2 R44.1 R113.2 R119.1 R125.2
